# Altium PCB DK TT.PcbDoc
Units mm, origin at the board's own origin, x right, y up, seen from the top; angles counter-clockwise.
Board outline 92 x 87 mm, 2 copper layers (Top Layer, Bottom Layer); 121 components, 87 nets, 359 pads, 0 vias.
Unrouted connection lines stored in the file: 252.
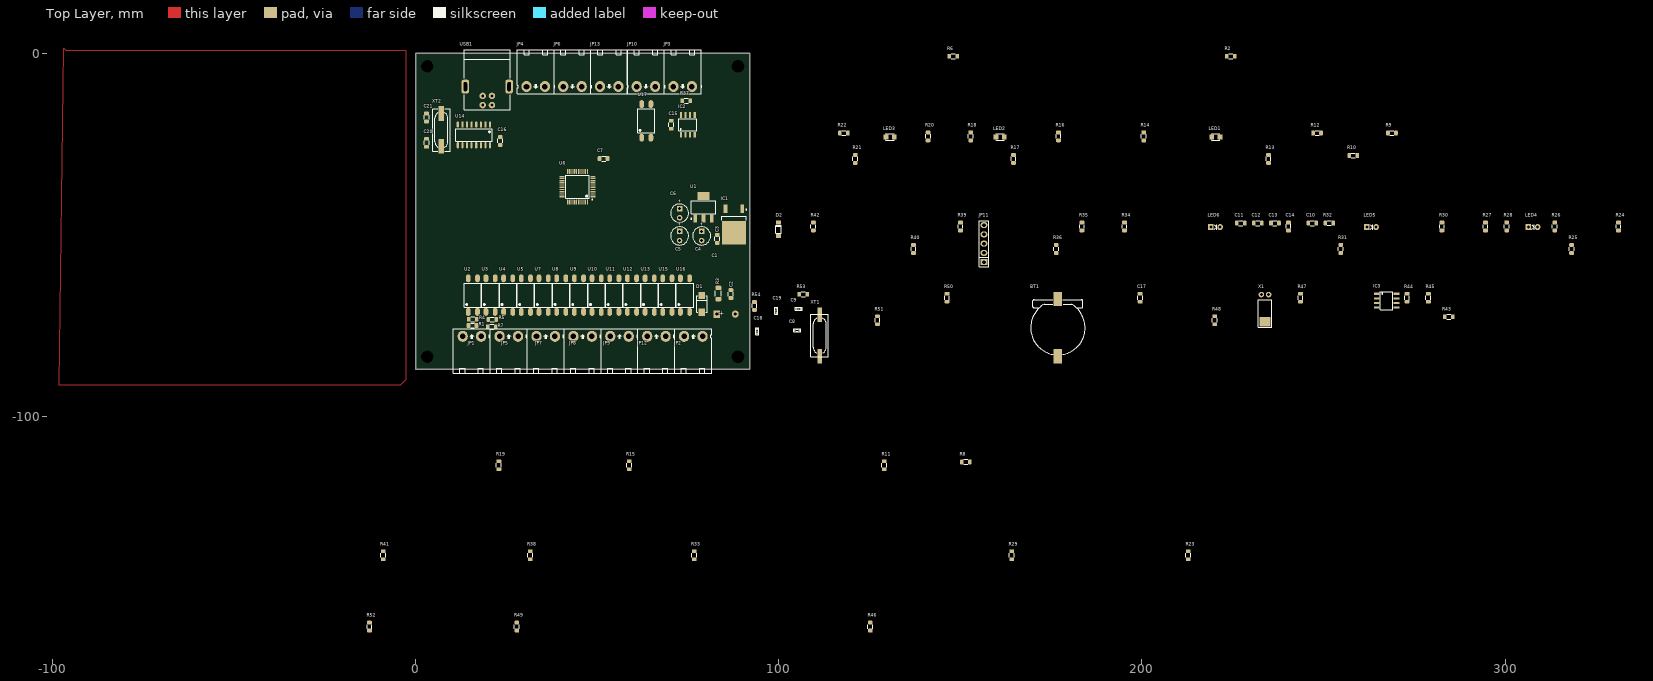
[diagram p0: Top Layer view]
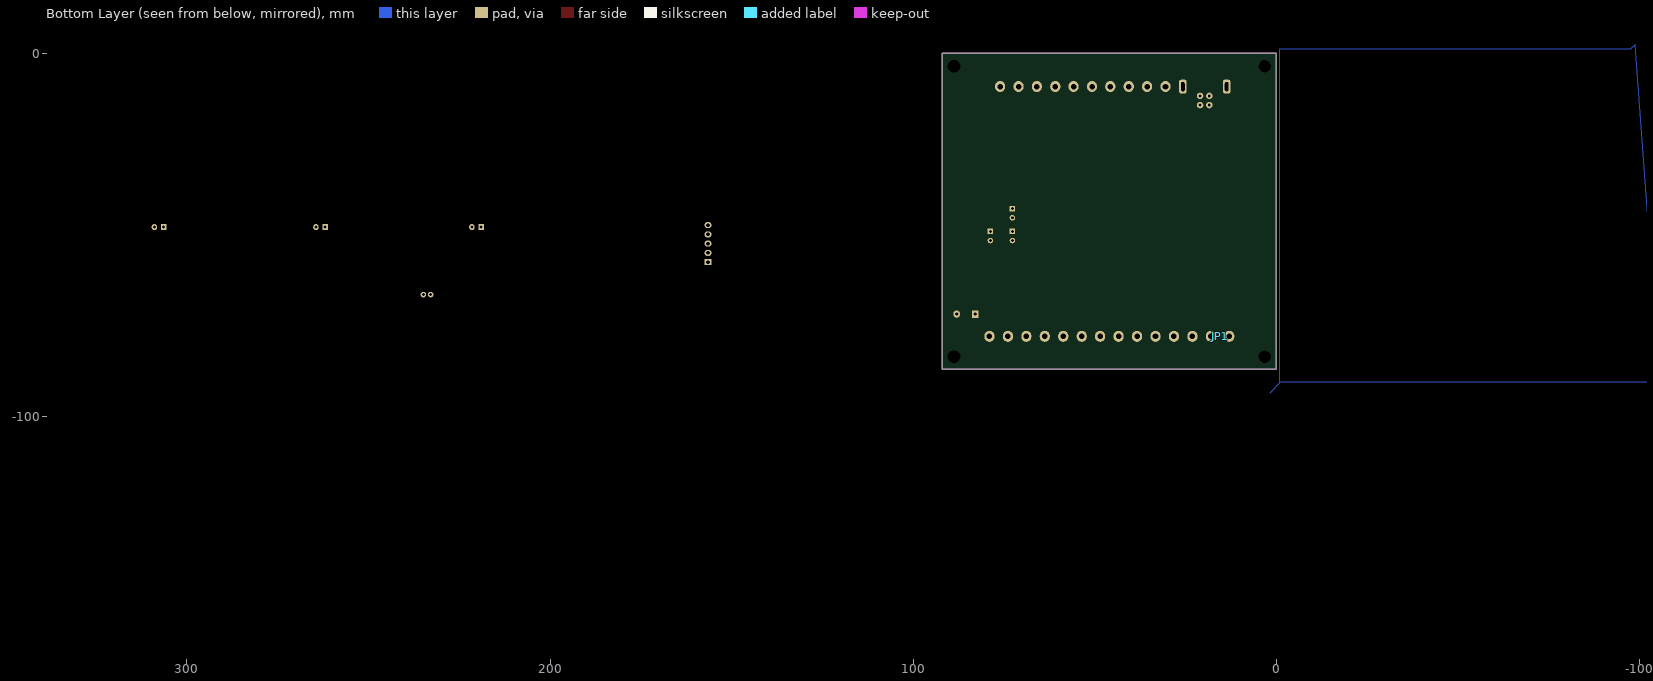
[diagram p1: Bottom Layer view, seen from below]

## Layer stack, top to bottom
Top Solder: solder mask 0.0102, Solder Resist, Dk 3.5
Top Layer: signal copper 0.0356
Dielectric 1: dielectric 0.32, FR-4, Dk 4.8
Bottom Layer: signal copper 0.0356
Bottom Solder: solder mask 0.0102, Solder Resist, Dk 3.5

## Board outline
0,-87 92,-87 92,0 0,0

## Design rules (kind name [scope] priority, off if disabled: settings)
Clearance Clearance_2 [OnLayer('Keep-Out Layer')] p1: gap=0.025 ignorepadtopadclearanceinfootprint=FALSE except(0: Arc-Hole Track-Hole SMDPad-Hole THPad-Hole Via-Hole Fill-Hole Poly-Hole Region-Hole Text-Hole)
Clearance Clearance_gnd [inpolygon] p2: gap=0.533 ignorepadtopadclearanceinfootprint=FALSE except(0: Arc-Hole Track-Hole SMDPad-Hole THPad-Hole Via-Hole Fill-Hole Poly-Hole Region-Hole Text-Hole)
Clearance [All] p3: gap=0.198 ignorepadtopadclearanceinfootprint=FALSE except(0: Arc-Hole Track-Hole SMDPad-Hole THPad-Hole Via-Hole Fill-Hole Poly-Hole Region-Hole Text-Hole)
HoleSize [All] p1: absolutevalues=TRUE maxlimit=7.62 minlimit=0.025 maxpercent=80.000 minpercent=20.000
HoleToHoleClearance [All] p1: gap=0.127 allowstackedmicrovias=TRUE
MinimumSolderMaskSliver [All] p1: minsoldermaskwidth=0.127
PolygonConnect PolygonConnect_1 [isvia] p1: connectstyle=Direct reliefconductorwidth=0.254 reliefentries=4 polygonreliefangle="90 Angle" airgapwidth=0.254
PolygonConnect [All] p2: connectstyle=Relief reliefconductorwidth=0.584 reliefentries=4 polygonreliefangle="90 Angle" airgapwidth=0.254
RoomDefinition "DK TT" [InComponentClass('DK TT')] p1: confinementstyle=ConfineIn formatcopy=TRUE lockcomponents=FALSE outline -186.082,-207.778 -135.282,-207.778 -135.282,-182.378 -186.082,-182.378
RoutingVias [All] p1: holewidth=0.711 width=1.27 viastyle="Through Hole" minholewidth=0.025 minwidth=0.025 maxholewidth=28.219 maxwidth=28.219
SilkToSilkClearance [All] p1: silktosilkclearance=0.127
SilkToSolderMaskClearance [IsPad] p1: minsilkscreentomaskgap=0.127 clearancetoexposedcopper=TRUE
SolderMaskExpansion [All] p1: expansion=0.102 istentingtop=FALSE
Width [All] p1: maxlimit=2.819 minlimit=0.025 preferedwidth=0.254
25 further rules are at their usual default settings.

## Components (designator, comment, footprint, x,y, rotation, side; value= is the part's Value field where it differs from the comment)
BT1 "CR1220" CR1220 176.833,-75.495 r90 top
C1 "470uF/25V" "CP_1000UF/25V_NAM - cao" 85.496,-71.755 r90 top value=470uF
C2 "10uF" C-0805 86.817,-66.243 r90 top value=103
C3 "10uF" C-0805 83.083,-51.062 r90 top value=103
C4 "220uF/16V" CA-ALU-5L 78.765,-50.243 r270 top value=100uF/35V/50V
C5 "220uF/16V" CA-ALU-5L 72.695,-50.243 r270 top value=100uF/35V/50V
C6 "220uF/16V" CA-ALU-5L 72.695,-43.967 r270 top value=100uF/35V/50V
C7 "10uF" C-0805 51.763,-28.937 r0 top value=103
C8 "22pF" CAP_0402 105.029,-76.2 r0 top value=33p
C9 "22pF" CAP_0402 105.484,-70.263 r0 top value=33p
C10 "100nF" C-0805 246.886,-46.691 r0 top value=103
C11 "100nF" C-0805 227.201,-46.691 r0 top value=103
C12 "100nF" C-0805 231.9,-46.691 r0 top value=103
C13 "100nF" C-0805 236.599,-46.691 r0 top value=103
C14 "100nF" C-0805 240.333,-47.631 r90 top value=103
C15 "100nF" C-0805 70.409,-19.66 r90 top
C16 "100nF" C-0805 23.343,-24.105 r90 top
C17 "1uF" C-0805 199.49,-67.24 r90 top value=100nF
C18 "10pF" CAP_0402 94.056,-76.454 r90 top value=33p
C19 "10pF" CAP_0402 99.337,-70.821 r90 top value=33p
C20 "22pF" C-0805 3.023,-24.613 r90 top
C21 "22pF" C-0805 3.023,-17.628 r90 top
D1 "M7" SMA11 78.816,-68.961 r90 top value=1N4007
D2 "1N4148" 1N4148_SMD 99.922,-48.393 r90 top value=1N4007
IC1 "LM7805" "TO-252 7805" 87.63,-46.279 r270 top
IC2 "MAX3485" SOIC-8 74.955,-19.66 r90 top
IC3 "BQ32000" SOIC-8 267.333,-68.078 r0 top
JP1 "JP2" KF2-5.08T 12.98,-77.881 r0 bottom value="Connector 2"
JP2 "JP2" KF2-5.08T 73.94,-77.881 r0 top value="Connector 2"
JP3 "JP2" KF2-5.08T 76.083,-9.119 r180 top value="Connector 2"
JP4 "JP2" KF2-5.08T 35.623,-9.119 r180 top value="Connector 2"
JP5 "JP2" KF2-5.08T 23.14,-77.881 r0 top value="Connector 2"
JP6 "JP2" KF2-5.08T 45.738,-9.119 r180 top value="Connector 2"
JP7 "JP2" KF2-5.08T 33.3,-77.881 r0 top value="Connector 2"
JP8 "JP2" KF2-5.08T 43.46,-77.881 r0 top value="Connector 2"
JP9 "JP2" KF2-5.08T 53.62,-77.881 r0 top value="Connector 2"
JP10 "JP2" KF2-5.08T 65.968,-9.119 r180 top value="Connector 2"
JP11 "JP5" JP5-D1T 156.487,-52.356 r90 top value="Connector 5"
JP12 "JP2" KF2-5.08T 63.78,-77.881 r0 top value="Connector 2"
JP13 "JP2" KF2-5.08T 55.853,-9.119 r180 top value="Connector 2"
LED1 "LED" LED-0805-Red 219.175,-23.019 r0 top value="LED 3 ly Single Colour"
LED2 "LED" LED-0805-Red 159.815,-23.019 r0 top value="LED 3 ly Single Colour"
LED3 "LED" LED-0805-Red 129.513,-23.019 r0 top value="LED 3 ly Single Colour"
LED4 "LED" LED-3 307.643,-47.809 r0 top value="LED 3 ly Single Colour"
LED5 "LED" LED-3 263.167,-47.809 r0 top value="LED 3 ly Single Colour"
LED6 "LED" LED-3 220.241,-47.809 r0 top value="LED 3 ly Single Colour"
R1 "4.7K" R-0805 15.672,-74.905 r0 top value="R1/4W - 1K"
R2 "4.7K" R-0805 224.458,-0.768 r0 top value="R1/4W - 1K"
R3 "10R" R-1206 83.388,-66.091 r90 top value="R1/4W - 1K"
R4 "10K" R-0805 15.748,-73.177 r180 top value="R1/4W - 1K"
R5 "4.7K" R-0805 21.15,-73.228 r0 top value="R1/4W - 1K"
R6 "4.7K" R-0805 148.029,-0.768 r0 top value="R1/4W - 1K"
R7 "10K" R-0805 20.955,-75.235 r180 top value="R1/4W - 1K"
R8 "4.7K" R-0805 151.511,-112.446 r0 top value="R1/4W - 1K"
R9 "4.7K" R-0805 268.806,-21.901 r0 top value="R1/4W - 1K"
R10 "10K" R-0805 258.189,-28.099 r0 top value="R1/4W - 1K"
R11 "4.7K" R-0805 129.057,-113.386 r90 top value="R1/4W - 1K"
R12 "4.7K" R-0805 248.207,-21.901 r0 top value="R1/4W - 1K"
R13 "10K" R-0805 234.846,-29.038 r90 top value="R1/4W - 1K"
R14 "1K" R-0805 200.48,-22.841 r90 top value="R1/4W - 1K"
R15 "4.7K" R-0805 58.826,-113.386 r90 top value="R1/4W - 1K"
R16 "4.7K" R-0805 177.011,-22.841 r90 top value="R1/4W - 1K"
R17 "10K" R-0805 164.615,-29.038 r90 top value="R1/4W - 1K"
R18 "1K" R-0805 152.855,-22.841 r90 top value="R1/4W - 1K"
R19 "4.7K" R-0805 22.936,-113.386 r90 top value="R1/4W - 1K"
R20 "4.7K" R-0805 141.12,-22.841 r90 top value="R1/4W - 1K"
R21 "10K" R-0805 121.08,-29.038 r90 top value="R1/4W - 1K"
R22 "1K" R-0805 117.905,-21.901 r0 top value="R1/4W - 1K"
R23 "4.7K" R-0805 212.75,-138.176 r90 top value="R1/4W - 1K"
R24 "4.7K" R-0805 331.189,-47.631 r90 top value="R1/4W - 1K"
R25 "10K" R-0805 318.285,-53.829 r90 top value="R1/4W - 1K"
R26 "10k" R-0805 313.637,-47.631 r90 top value="R1/4W - 1K"
R27 "1K" R-0805 294.562,-47.631 r90 top value="R1/4W - 1K"
R28 "10K" R-0805 300.404,-47.631 r90 top value="R1/4W - 1K"
R29 "4.7K" R-0805 164.135,-138.176 r90 top value="R1/4W - 1K"
R30 "4.7K" R-0805 282.573,-47.631 r90 top value="R1/4W - 1K"
R31 "10K" R-0805 254.735,-53.829 r90 top value="R1/4W - 1K"
R32 "1K" R-0805 251.585,-46.691 r0 top value="R1/4W - 1K"
R33 "4.7K" R-0805 76.708,-138.176 r90 top value="R1/4W - 1K"
R34 "4.7K" R-0805 195.172,-47.631 r90 top value="R1/4W - 1K"
R35 "1K" R-0805 183.462,-47.631 r90 top value="R1/4W - 1K"
R36 "10K" R-0805 176.376,-53.829 r90 top value="R1/4W - 1K"
R37 "120R" R-0805 74.549,-13.03 r180 top value="R1/4W - 1K"
R38 "4.7K" R-0805 31.572,-138.176 r90 top value="R1/4W - 1K"
R39 "4.7K" R-0805 150.036,-47.631 r90 top value="R1/4W - 1K"
R40 "10K" R-0805 137.107,-53.829 r90 top value="R1/4W - 1K"
R41 "4.7K" R-0805 -8.915,-138.176 r90 top value="R1/4W - 1K"
R42 "4.7K" R-0805 109.523,-47.631 r90 top value="R1/4W - 1K"
R43 "10K" R-0805 284.427,-72.498 r0 top value="R1/4W - 1K"
R44 "10k" R-0805 272.972,-67.24 r90 top
R45 "10k" R-0805 278.839,-67.24 r90 top
R46 "4.7K" R-0805 125.197,-157.785 r90 top value="R1/4W - 1K"
R47 "4.7K" R-0805 243.66,-67.24 r90 top value="R1/4W - 1K"
R48 "10K" R-0805 220.038,-73.438 r90 top value="R1/4W - 1K"
R49 "4.7K" R-0805 27.889,-157.785 r90 top value="R1/4W - 1K"
R50 "4.7K" R-0805 146.327,-67.24 r90 top value="R1/4W - 1K"
R51 "10K" R-0805 127.176,-73.438 r90 top value="R1/4W - 1K"
R52 "4.7K" R-0805 -12.7,-157.785 r90 top value="R1/4W - 1K"
R53 "4.7K" R-0805 106.703,-66.3 r0 top value="R1/4W - 1K"
R54 "10K" R-0805 93.32,-69.512 r90 top value="R1/4W - 1K"
U1 "LM1117-3.3V" SOT223-4N 79.273,-42.393 r90 top
U2 "EL3H7" "DIP4/W0.3 - SMD" 15.773,-66.523 r0 top value=PC817
U3 "EL3H7" "DIP4/W0.3 - SMD" 20.642,-66.523 r0 top value=PC817
U4 "EL3H7" "DIP4/W0.3 - SMD" 25.51,-66.523 r0 top value=PC817
U5 "EL3H7" "DIP4/W0.3 - SMD" 30.378,-66.523 r0 top value=PC817
U6 "STM32F103C8T6" LQFP48_L 44.577,-36.703 r90 top
U7 "EL3H7" "DIP4/W0.3 - SMD" 35.247,-66.523 r0 top value=PC817
U8 "EL3H7" "DIP4/W0.3 - SMD" 40.115,-66.523 r0 top value=PC817
U9 "EL3H7" "DIP4/W0.3 - SMD" 44.983,-66.523 r0 top value=PC817
U10 "EL3H7" "DIP4/W0.3 - SMD" 49.852,-66.523 r0 top value=PC817
U11 "EL3H7" "DIP4/W0.3 - SMD" 54.72,-66.523 r0 top value=PC817
U12 "EL3H7" "DIP4/W0.3 - SMD" 59.588,-66.523 r0 top value=PC817
U13 "EL3H7" "DIP4/W0.3 - SMD" 64.457,-66.523 r0 top value=PC817
U14 "CH340G" SOIC-16 16.078,-22.428 r270 top
U15 "EL3H7" "DIP4/W0.3 - SMD" 69.325,-66.523 r0 top value=PC817
U16 "EL3H7" "DIP4/W0.3 - SMD" 74.193,-66.523 r0 top value=PC817
U17 "EL3H7" "DIP4/W0.3 - SMD" 63.525,-18.567 r0 top value=PC817
USB1 "USB-B" USB-B 19.736,-11.684 r180 top
X1 "32.768kHz" XT32-1 233.856,-70.186 r0 top
XT1 "8Mhz" XTAL-RU49/4#1 111.275,-82.582 r90 top value=12Mhz
XT2 "12Mhz" XTAL-RU49/4#2 7.112,-21.031 r90 top

## Footprints (in the part's own frame and the unit in brackets; to place one, negate y for a bottom-side part, rotate by r counter-clockwise, add the part's x,y. Pads: shape width x height; smd on the part's side, far side on the other; paste and mask are expansions set on the pad)
1N4148_SMD [mm]
  rect 1.1x1.397 smd: 1(-1.83,0) 2(1.83,0)
  silkscreen extent -1.09,-0.76 1.14,0.76, body extent -1.82,-0.8 1.88,0.8, height 1.6
C-0805 [mil] "Compoment SMD 80x50mil"
  rrect50% 40x52 smd: 1(-43.31,0) 2(43.31,0)
  silkscreen extent -21,-27 22,27, body extent -40,-25 40,25, height 24
CA-ALU-5L [mm] "Polarized capacitors, Aluminum Electrolytic Capacitors, 2-Leads, Body 5x11x2x0.5"
  rect 1.5x1.5 hole 0.8: 1(-1.27,0)
  round 1.5 hole 0.8: 2(1.27,0)
  silkscreen extent -2.5,-2.5 2.5,2.5, body extent -2.54,-2.54 2.54,2.54, height 13.9
CAP_0402 [mm]
  rect 0.5x0.6 smd: 1(-0.61,0) 2(0.61,0)
  silkscreen extent -0.97,-0.38 0.97,0.41, body extent -0.5,-0.27 0.5,0.26, height 0.35
"CP_1000UF/25V_NAM - cao" [mil]
  rect 80x70 hole 36: 1(0,100)
  oval 80x70 hole 36: 2(0,-100)
  body extent -12,-199 697,197, height 458
CR1220 [mm]
  round 0 hole 1: 0(-3.76,0)
  round 0 hole 1.3: 0(3.76,0)
  rect 3.937x2.3 smd: 1(7.895,0) 2(-7.895,0)
  silkscreen extent -7.39,-7.5 7.75,7.5, body extent -9.27,-7.38 9.53,7.37, height 4.23
"DIP4/W0.3 - SMD" [mil] "4 PIN, W 300mil, Pin to pin 100mil"
  oval 51.18x86 smd paste+0 mask+4: 1(-50,-182)
  oval 51.18x86 smd: 2(50,-182) 3(50,182) 4(-50,182)
  silkscreen extent -93,-130 93,130, body extent -90,-197 90,197, height 152
JP5-D1T [mm] "5 pins, 1 row, straight, gold plating"
  rect 1.676x1.905 hole 1: 1(-5.08,0)
  oval 1.676x1.905 hole 1: 2(-2.54,0) 3(0,0) 4(2.54,0) 5(5.08,0)
  silkscreen extent -6.35,-1.27 6.35,1.27, body extent -6.35,-1.27 6.35,1.27, height 8.54
KF2-5.08T [mil] "Header 2, 2 pin, hight 300mil, Pin to Pin 200, Colour Green"
  oval 110x120 hole 60: 1(0,0) 2(200,0)
  body extent -97,-73 297,399, height 334
LED-3 [mil] "LED 2 PIN, 3ly Only colour"
  rect 60x65 hole 33: 1(-50,0)
  oval 60x65 hole 33: 2(50,0)
  silkscreen extent -12,-26 13,26, body extent -75,-75 60,75, height 419
LED-0805-Red [mil]
  rect 50x55 smd: 1(0,0) 2(90,0)
  silkscreen extent 0,-35 90,35, body extent 5,-25 85,25, height 43
LQFP48_L [mm]
  oval 0.3x1.4 smd: 1(-2.75,-4.25) 2(-2.25,-4.25) 3(-1.75,-4.25) 4(-1.25,-4.25) 5(-0.75,-4.25) 6(-0.25,-4.25) 7(0.25,-4.25) 8(0.75,-4.25) 9(1.25,-4.25) 10(1.75,-4.25) 11(2.25,-4.25) 12(2.75,-4.25) 25(2.75,4.25) 26(2.25,4.25) 27(1.75,4.25) 28(1.25,4.25) 29(0.75,4.25) 30(0.25,4.25) 31(-0.25,4.25) 32(-0.75,4.25) 33(-1.25,4.25) 34(-1.75,4.25) 35(-2.25,4.25) 36(-2.75,4.25)
  oval 1.4x0.3 smd: 13(4.25,-2.75) 14(4.25,-2.25) 15(4.25,-1.75) 16(4.25,-1.25) 17(4.25,-0.75) 18(4.25,-0.25) 19(4.25,0.25) 20(4.25,0.75) 21(4.25,1.25) 22(4.25,1.75) 23(4.25,2.25) 24(4.25,2.75) 37(-4.25,2.75) 38(-4.25,2.25) 39(-4.25,1.75) 40(-4.25,1.25) 41(-4.25,0.75) 42(-4.25,0.25) 43(-4.25,-0.25) 44(-4.25,-0.75) 45(-4.25,-1.25) 46(-4.25,-1.75) 47(-4.25,-2.25) 48(-4.25,-2.75)
  silkscreen extent -3.63,-4.24 3.2,3.2, body extent -4.5,-4.5 4.5,4.5, height 1.5
R-0805 [mil] "Compoment SMD 80x50mil"
  rrect50% 40x52 smd: 1(-43.31,0) 2(43.31,0)
  silkscreen extent -21,-26 21,26, body extent -39,-25 39,25, height 22
R-1206 [mm] "Compoment SMD 120x60mil"
  rrect50% 1.2x1.62 smd: 1(-1.55,0) 2(1.55,0)
  silkscreen extent -0.79,-0.81 0.79,0.84, body extent -1.5,-0.77 1.51,0.78, height 0.55
SMA11 [mm] "SMAJ5.0A/CA,SMAJ24CA..."
  rect 2x1.7 smd: 1(-2.3,0) 2(2.3,0)
  silkscreen extent -2.33,-1.46 2.27,1.46, body extent -2.54,-1.46 2.54,1.46, height 2.62
SOIC-8 [mm] "SOIC, 8-Leads, Body 5,0x4,0mm (max), Pitch 1,27mm, IPC Medium Density"
  rect 1.6x0.6 smd: 1(-2.7,1.905) 2(-2.7,0.635) 3(-2.7,-0.635) 4(-2.7,-1.905) 5(2.7,-1.905) 6(2.7,-0.635) 7(2.7,0.635) 8(2.7,1.905)
  silkscreen extent -1.68,-2.5 1.68,2.5, body extent -3.02,-2.51 3.02,2.51, height 1.6
SOIC-16 [mm]
  oval 1.7x0.6 smd: 1(-2.85,4.445) 2(-2.85,3.175) 3(-2.85,1.905) 4(-2.85,0.635) 5(-2.85,-0.635) 6(-2.85,-1.905) 7(-2.85,-3.175) 8(-2.85,-4.445) 9(2.85,-4.445) 10(2.85,-3.175) 11(2.85,-1.905) 12(2.85,-0.635) 13(2.85,0.635) 14(2.85,1.905) 15(2.85,3.175) 16(2.85,4.445)
  silkscreen extent -1.7,-5.05 1.7,5.05, body extent -3.1,-4.95 3.1,4.95, height 1.7
SOT223-4N [mm] "SOT223, 4-Leads, Body 6.5x3.5mm, Pitch 2.3mm, Lead Span 7mm, IPC Medium Density"
  rect 2.2x1 smd: 1(-3.1,2.3) 2(-3.1,0) 3(-3.1,-2.3)
  rect 2.2x3.3 smd: 2(3.1,0)
  silkscreen extent -3.25,-3.33 1.78,3.53, body extent -3.5,-3.25 3.5,3.25, height 1.7
"TO-252 7805" [mil]
  rect 95x41.34 smd: 1(-138.92,90.16) 3(-138.92,-90.16)
  rect 255x260 smd: 2(120,0)
  silkscreen extent -135,-132 -15,137, body extent -160,-130 221,130, height 91
USB-B [mil]
  rrect50% 80x150 hole 35.43 slot 98.43 at 90 deg: 0(-237.01,-100) 0(237.01,-100)
  round 70 hole 31: 1(49,100) 2(-51,100) 3(-51,0) 4(49,0)
  silkscreen extent -251,-501 249,149, body extent -290,-500 296,142, height 447
XT32-1 [mil] "Cryxtal 32.768kHz"
  round 60 hole 32: 1(-39.37,149.35) 2(39.37,149.35)
  rect 118.11x105 smd: 3(0,-145)
  silkscreen extent -73,-204 73,96, body extent -71,-202 71,160, height 130
XTAL-RU49/4#1 [mm]
  rect 4x1.2 smd: 1(-0.762,0) 2(10.668,0)
  silkscreen extent -0.89,-2.29 10.8,2.41, body extent -1.2,-2.22 11.1,2.48, height 4.3
XTAL-RU49/4#2 [mm]
  rect 4x1.5 smd: 1(-4.5,0) 2(4.5,0)
  silkscreen extent -5.84,-2.41 5.84,2.41, body extent -6.15,-2.35 6.15,2.35, height 4.3

## Part data
BT1: library part Battery, "Multicell Battery & Socket"
C1: library part CP4, "470uF/35V", Manufacturer="Würth Elektronik", Part number=860020575014, Category=CAPACITOR, User_Description="CAP ALUM 470UF 20% 35V RADIAL"
C2 C3 C7 C10 C11 C12 C13 C14: library part C, "Cap SMD"
C4 C5 C6: library part CP3, "Cap 100uF/35V - 470uF/16V", Description 1="1000uF/6,3V - 470uF/16V - 330uF - 25V", Description 2="220uF/35V - 100uF/50V - 63V - 4,7uF/200V", Description 3="22uF => 33uF100V - 3,3uF => 4,7uF/250V", Description 4="2,2uF =>3,3uF/350 - 2,2uF/400V - 1uF/450V"
C8 C9 C18 C19: library part CapSMD, "Capacitor", LatestRevisionDate=17-Jul-2002, LatestRevisionNote="Re-released for DXP Platform.", PackageReference=RAD-0.3, Published=8-Jun-2000, Publisher="Altium Limited"
C15 C16 C17: library part C, "Cap SMD", Manufacturer="Samsung Electro-Mechanics", Package=0805, Part number=CL21B104KBCNNWC, Category=CAPACITOR, User_Description="CAP CER 0.1UF 50V X7R 0805"
C20 C21: library part C, "Cap SMD", Manufacturer="Samsung Electro-Mechanics", Package=0805, Part number=CL21C220JBANFNC, Category=CAPACITOR, User_Description="CAP CER 22PF 50V C0G/NP0 0805"
D1 D2: library part D1A, "Diode 1A"
IC1: library part LM78xx, "On ap +, from + 5 to + 24VDC"
IC2: library part MAX3362EKA+T, "IC TRANSCEIVER HALF 1/1 SOT23-8", Manufacturer="Maxim Integrated", Package=SOT-23-8, Category="Interface - Drivers", Part number=MAX3362EKA+T, User_Description="IC TRANSCEIVER HALF 1/1 SOT23-8"
IC3: library part DS1307, "Real Time Clock BQ3200, SOIC-8", ComponentLink1Description="Manufacturer Link", ComponentLink1URL=http://www.maxim-ic.com/, ComponentLink2Description=Datasheet, ComponentLink2URL=http://pdfserv.maxim-ic.com/en/ds/DS1307.pdf, ComponentLink3Description="Discontinuation Notice", ComponentLink3URL=http://www.maxim-ic.com/qa/pdfs/non-obsolescence-letter.pdf, DatasheetVersion=10-Aug-1999, LatestRevisionDate=06-Jun-2005, LatestRevisionNote="Stylized 3D Model Added.", PackageDescription="DIP; 8 Leads; Row Spacing 7.62 mm; Pitch 2.54 mm", PackageReference=DIP8, PackageVersion=1999, Published=13-Oct-2000, Publisher="Altium Limited"
JP1 JP2 JP3 JP4 JP5 JP6 JP7 JP8 JP9 JP10 JP12 JP13: library part Con2, "Connector 2"
JP11: library part Con5, "Connector 5"
LED1 LED2 LED3 LED4 LED5 LED6: "LED Single colour Green and Red"
R1 R2 R3 R4 R5 R6 R7 R8 R9 R10 R11 R12 R13 R14 R15 R16 R17 R18 R19 R20 R21 R22 R23 R24 R25 R26 R27 R29 R30 R31 R32 R33 R34 R35 R36 R37 R38 R39 R40 R41 R42 R43 R46 R47 R48 R49 R50 R51 R52 R53 R54: library part RES, "Resistor 1/4W"
R28: library part RES_1, "Resistor 1/4W"
R44 R45: library part R, "Resistor 1/4W"
U1: library part LM1117, Creator="Nguyen Ba Bien", Website=http://group3i.net
U2 U3 U4 U5 U7 U8 U9 U10 U11 U12 U13 U15 U16 U17: library part PC817, "Single Opto"
U14: "USB to UART Interface", Manufacturer=WCH, Package=SOIC-16, Category="IC UART Interface", Part number=CH340G, User_Description="USB to UART Interface"
USB1: "CONN USB 2.0 RT ANGLE TYPE B", Manufacturer="Stewart Connector", Package="Through Hole", Part number=SS-52300-001, Category="Connectors, Interconnects", User_Description="CONN USB 2.0 RT ANGLE TYPE B"
X1: library part Crysistal
XT1 XT2: library part XT2, "CRYSTAL 12.0000MHZ 18PF SMD", Manufacturer="IQD Frequency Products", Package=HC-49/US, Part number=LFXTAL036356REEL, Category=Crystals, User_Description="CRYSTAL 12.0000MHZ 18PF SMD"

## Free pads (board coordinates)
  round 0 hole 3.5: 0(3.25,-83.5) 0(3.25,-3.5) 0(88.75,-83.5) 0(88.75,-3.5)

## Nets (pads, with @x,y where several pads share a name; then routed paths per layer and width w, separated by ;. In a path a pad name is that pad's centre, name@x,y a point inside that pad or via, vN(x,y) a via of type N, cw(c..) or ccw(c..) an arc to the next point about the centre after c; other vN are vias at no path point)
3.3V: C15.1 IC2.8
3VBAT: BT1.1 D2.2 IC3.3
5V: USB1.1
485A: IC2.6 JP10.1 R37.2
485B: IC2.7 JP10.2 R37.1
+3.3V: C6.1 C7.2 C11.1 C12.1 C13.1 C14.1 C16.2 D2.1 JP11.2 R2.2 R6.2 R9.2 R12.2 R14.1 R16.2 R18.2 R20.2 R22.2 R24.2 R27.2 R28.1 R30.2 R32.2 R34.2 R35.2 R39.2 R42.2 R44.2 R45.2 R47.2 R50.2 R53.2 U1.2 U6.1 U6.9 U6.24 U6.36 U6.48 U14.4 U14.16
+5V: C3.2 C4.1 C5.1 C17.2 IC1.3 IC3.8 U1.3
+12: D1.1 JP2.1 JP3.1
BOOT0: R26.2 U6.44
D+: U14.5 USB1.3
D-: U14.6 USB1.2
DE/RE: IC2.2 IC2.3
GND: BT1.2 C1.2 C2.1 C3.1 C4.2 C5.2 C6.2 C7.1 C8.2 C9.2 C10.1 C11.2 C12.2 C13.2 C14.2 C15.2 C16.1 C17.1 C18.2 C19.2 C20.1 C21.1 IC1.2 IC2.5 IC3.4 JP2.2 JP3.2 JP11.1 LED1.2 R4.1 R7.1 R10.1 R13.1 R17.1 R21.1 R25.1 R26.1 R31.1 R36.1 R40.1 R43.1 R48.1 R51.1 R54.1 U1.1 U2.2 U2.3 U3.2 U3.3 U4.2 U4.3 U5.2 U5.3 U6.8 U6.23 U6.35 U6.47 U7.2 U7.3 U8.2 U8.3 U9.2 U9.3 U10.2 U10.3 U11.2 U11.3 U12.2 U12.3 U13.2 U13.3 U14.1 U15.2 U15.3 U16.2 U16.3 U17.2 U17.3 USB1.4 X1.3
I2C_SCL: IC3.6 R45.1 U6.21
I2C_SDA: IC3.5 R44.1 U6.22
IN1: R2.1 U2.4 U6.18
IN2: R6.1 U3.4 U6.19
IN3: R9.1 U4.4 U6.20
IN4: R12.1 U5.4 U6.39
IN5: R16.1 U6.40 U7.4
IN6: R20.1 U6.41 U8.4
IN7: R24.1 U6.42 U9.4
IN8: R30.1 U6.43 U10.4
IN9: R34.1 U6.45 U11.4
IN10: R39.1 U6.46 U12.4
IN11: R42.1 U6.25 U13.4
IN12: R47.1 U6.26 U15.4
IN13: R50.1 U6.27 U16.4
IN14: R53.1 U6.28 U17.4
LED1: LED2.2 U6.10
LED2: LED3.2 U6.11
LED3: LED4.2 U6.29
LED4: LED5.2 U6.32
LED5: LED6.2 U6.33
MCU_XTAL1: C8.1 U6.5 XT1.1
MCU_XTAL2: C9.1 U6.6 XT1.2
NetC1_1: C1.1 C2.2 IC1.1 R3.2
NetC18_1: C18.1 IC3.2 X1.1
NetC19_1: C19.1 IC3.1 X1.2
NetC20_2: C20.2 U14.8 XT2.1
NetC21_2: C21.2 U14.7 XT2.2
NetD1_2: D1.2 R3.1
NetJP1_1: JP1.1 R1.1
NetJP1_2: JP1.2 R5.1
NetJP5_1: JP5.1 R8.1
NetJP5_2: JP5.2 R11.1
NetJP7_1: JP7.1 R15.1
NetJP7_2: JP7.2 R19.1
NetJP8_1: JP8.1 R23.1
NetJP8_2: JP8.2 R29.1
NetJP9_1: JP9.1 R33.1
NetJP9_2: JP9.2 R38.1
NetJP12_1: JP12.1 R41.1
NetJP12_2: JP12.2 R46.1
NetJP13_1: JP13.1 R49.1
NetJP13_2: JP13.2 R52.1
NetLED1_1: LED1.1 R14.2
NetLED2_1: LED2.1 R18.1
NetLED3_1: LED3.1 R22.1
NetLED4_1: LED4.1 R27.1
NetLED5_1: LED5.1 R32.1
NetLED6_1: LED6.1 R35.1
NetR1_2: R1.2 R4.2 U2.1
NetR5_2: R5.2 R7.2 U3.1
NetR8_2: R8.2 R10.2 U4.1
NetR11_2: R11.2 R13.2 U5.1
NetR15_2: R15.2 R17.2 U7.1
NetR19_2: R19.2 R21.2 U8.1
NetR23_2: R23.2 R25.2 U9.1
NetR29_2: R29.2 R31.2 U10.1
NetR33_2: R33.2 R36.2 U11.1
NetR38_2: R38.2 R40.2 U12.1
NetR41_2: R41.2 R43.2 U13.1
NetR46_2: R46.2 R48.2 U15.1
NetR49_2: R49.2 R51.2 U16.1
NetR52_2: R52.2 R54.2 U17.1
RST: C10.2 JP11.3 R28.2 U6.7
SPI1_MISO: JP4.1 U6.16
SPI1_MOSI: JP4.2 U6.17
SPI1_NSS: JP6.1 U6.14
SPI1_SCK: JP6.2 U6.15
SWCLK: JP11.4 U6.37
SWDIO: JP11.5 U6.34
UART1_RX: U6.31 U14.2
UART1_TX: U6.30 U14.3
UART2_RX: IC2.1 U6.13
UART2_TX: IC2.4 U6.12
pads on no net: BT1.0 IC3.7 U6.2 U6.3 U6.4 U6.38 U14.9 U14.10 U14.11 U14.12 U14.13 U14.14 U14.15 USB1.0

## Polygon pours and split planes (outlines as drawn)
GND on Top Layer "Bottom Layer-No Net" (solid, remove dead copper, shelved, pour order 2): -96.918,1.486 -96.334,0.902 -2.76,0.902 -2.76,-89.877 -2.836,-89.954 -4.259,-91.376 -98.01,-91.376 -98.086,-91.376
GND on Bottom Layer "Bottom Layer-No Net" (solid, remove dead copper, shelved, pour order 7): -98.747,2.401 -97.451,1.105 -0.804,1.105 -0.804,-90.792 1.761,-93.357 -1.16,-90.436 -105.351,-90.436 -105.351,-89.877 -105.528,-89.7

## Keep-outs
Keep-Out Layer:
  the board outline again, w0.25

## Other copper
Top Layer:
  pour cut-out: -1.45,-3.5 ccw(c3.25,-3.5) 3.25,-8.2 ccw(c3.25,-3.5) 7.95,-3.5 ccw(c3.25,-3.5) 3.25,1.2 ccw(c3.25,-3.5)
  pour cut-out: 84.05,-3.5 ccw(c88.75,-3.5) 88.75,-8.2 ccw(c88.75,-3.5) 93.45,-3.5 ccw(c88.75,-3.5) 88.75,1.2 ccw(c88.75,-3.5)
  pour cut-out: 84.05,-83.5 ccw(c88.75,-83.5) 88.75,-88.2 ccw(c88.75,-83.5) 93.45,-83.5 ccw(c88.75,-83.5) 88.75,-78.8 ccw(c88.75,-83.5)
  pour cut-out: -1.45,-83.5 ccw(c3.25,-83.5) 3.25,-88.2 ccw(c3.25,-83.5) 7.95,-83.5 ccw(c3.25,-83.5) 3.25,-78.8 ccw(c3.25,-83.5)
Bottom Layer:
  pour cut-out: -1.45,-3.5 ccw(c3.25,-3.5) 3.25,-8.2 ccw(c3.25,-3.5) 7.95,-3.5 ccw(c3.25,-3.5) 3.25,1.2 ccw(c3.25,-3.5)
  pour cut-out: 84.05,-3.5 ccw(c88.75,-3.5) 88.75,-8.2 ccw(c88.75,-3.5) 93.45,-3.5 ccw(c88.75,-3.5) 88.75,1.2 ccw(c88.75,-3.5)
  pour cut-out: 84.05,-83.5 ccw(c88.75,-83.5) 88.75,-88.2 ccw(c88.75,-83.5) 93.45,-83.5 ccw(c88.75,-83.5) 88.75,-78.8 ccw(c88.75,-83.5)
  pour cut-out: -1.45,-83.5 ccw(c3.25,-83.5) 3.25,-88.2 ccw(c3.25,-83.5) 7.95,-83.5 ccw(c3.25,-83.5) 3.25,-78.8 ccw(c3.25,-83.5)

## Text inside footprints (layer, text, board x,y; h text height)
C1: Top Overlay "+" at 85.344,-72.288 h2.29 r90
C4: Top Overlay "+" at 78.028,-46.418 h1.5 r270
C5: Top Overlay "+" at 71.958,-46.418 h1.5 r270
C6: Top Overlay "+" at 71.958,-40.142 h1.5 r270